# Altium PCB Modbus_PCB1.PcbDoc (part 1 of 3) (continued)
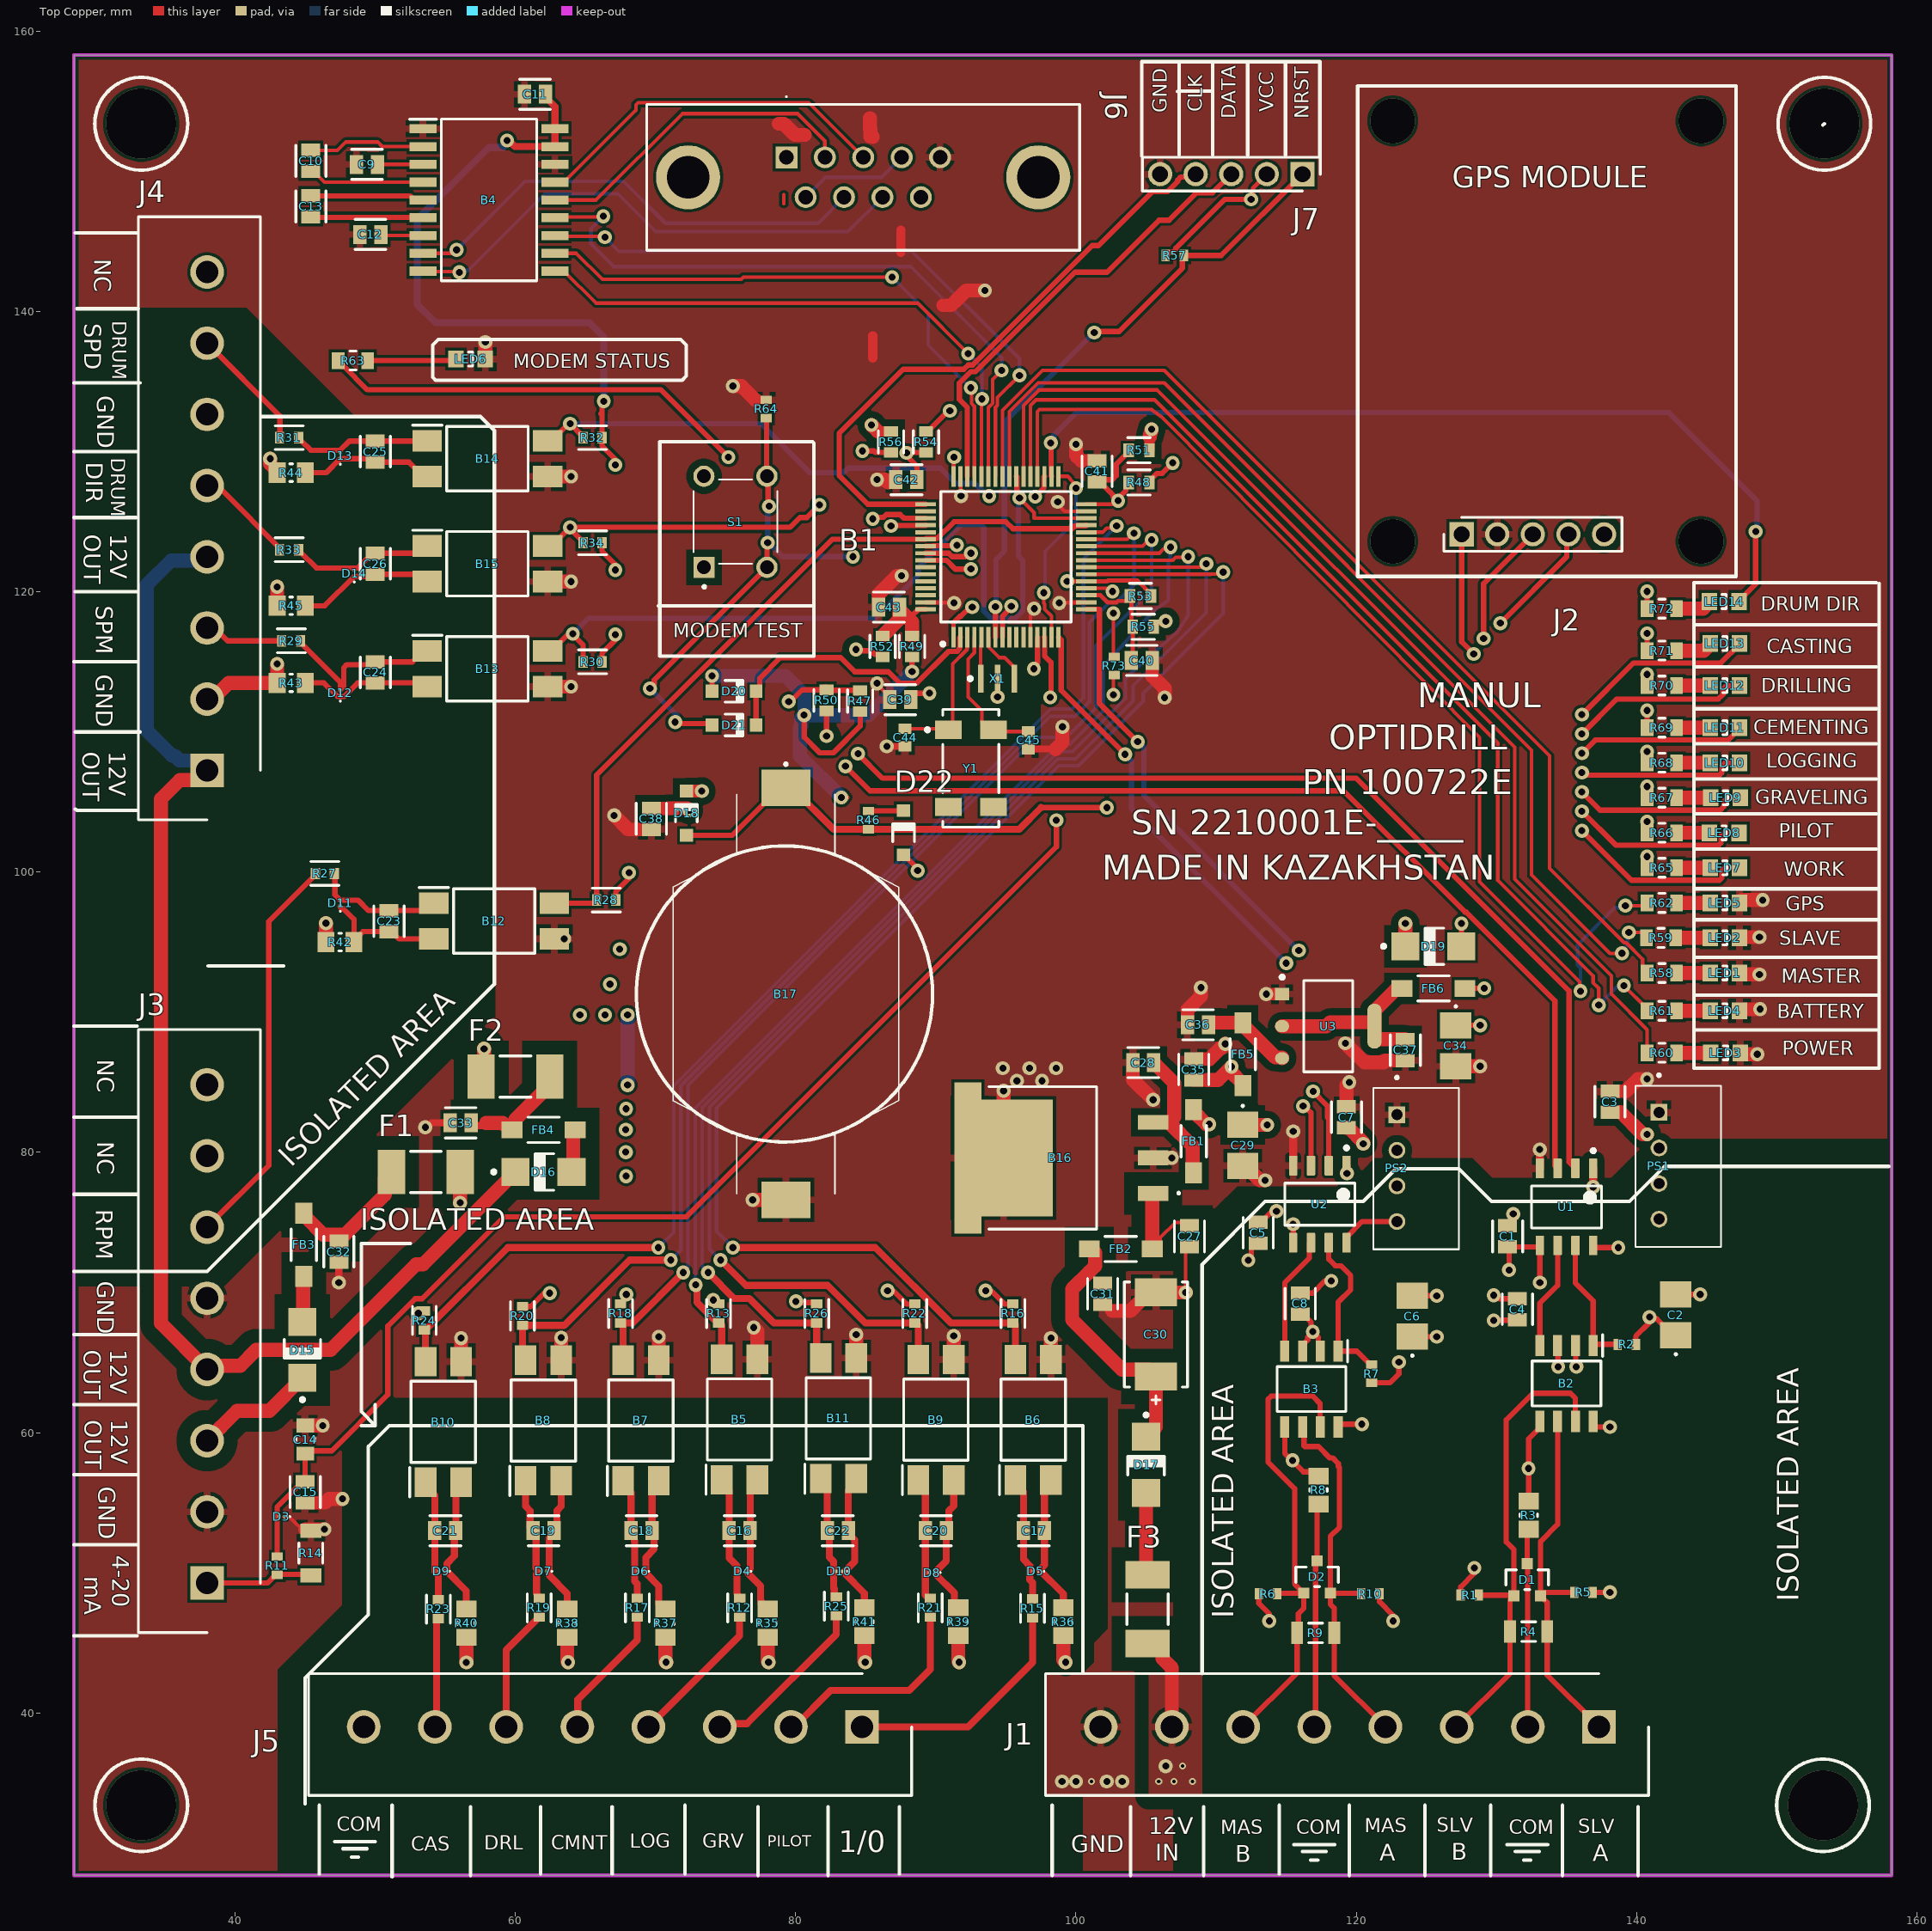
[diagram p0: Top Copper view]
## Design rules (kind name [scope] priority, off if disabled: settings)
BoardOutlineClearance [All] p1: gap=0.2 ignorepadtopadclearanceinfootprint=FALSE except(0.4: Arc-SplitBarrior Arc-SplitContinuation Track-SplitBarrior Track-SplitContinuation SMDPad-SplitBarrior SMDPad-SplitContinuation THPad-SplitBarrior THPad-SplitContinuation Via-SplitBarrior Via-SplitContinuation Fill-SplitBarrior Fill-SplitContinuation Poly-SplitBarrior Poly-SplitContinuation Region-SplitBarrior Region-SplitContinuation Text-SplitBarrior Text-SplitContinuation)
Clearance Clearance_HV [InNetClass('HV') vs not InNetClass('HV')] p1: gap=1 ignorepadtopadclearanceinfootprint=TRUE
Clearance Clearance_HV_1 [InNetClass('POWER') vs not InNetClass('POWER')] p2: gap=0.5 ignorepadtopadclearanceinfootprint=TRUE
Clearance Clearance_ISO1 [InNetClass('ISO1') vs not InNetClass('ISO1')] p3: gap=0.5 ignorepadtopadclearanceinfootprint=TRUE
Clearance Clearance_ISO1_1 [InNetClass('ISO2') vs not InNetClass('ISO2')] p4: gap=0.5 ignorepadtopadclearanceinfootprint=TRUE
Clearance Clearance_ISO1_2 [InNetClass('ISO3') vs not InNetClass('ISO3')] p5: gap=0.5 ignorepadtopadclearanceinfootprint=TRUE
Clearance Clearance_ISO1_3 [InNetClass('ISO4') vs not InNetClass('ISO4')] p6: gap=0.5 ignorepadtopadclearanceinfootprint=TRUE
Clearance Clearance_ISO1_4 [InNetClass('ISO5') vs not InNetClass('ISO5')] p7: gap=0.5 ignorepadtopadclearanceinfootprint=TRUE
Clearance Clearance_ISO1_5 [InNetClass('ISO6') vs not InNetClass('ISO6')] p8: gap=0.5 ignorepadtopadclearanceinfootprint=TRUE
Clearance Clearance_ISO1_6 [InNetClass('ISO7') vs not InNetClass('ISO7')] p9: gap=0.5 ignorepadtopadclearanceinfootprint=TRUE
Clearance Clearance_ISO1_7 [InNetClass('ISO8') vs not InNetClass('ISO8')] p10: gap=0.5 ignorepadtopadclearanceinfootprint=TRUE
Clearance Clearance_ISO1_8 [InNetClass('ISO9') vs not InNetClass('ISO9')] p11: gap=0.5 ignorepadtopadclearanceinfootprint=TRUE
Clearance Clearance_ISO1_9 [InNetClass('ISO10') vs not InNetClass('ISO10')] p12: gap=0.5 ignorepadtopadclearanceinfootprint=TRUE
Clearance Clearance_ISO1_10 [InNetClass('ISO11') vs not InNetClass('ISO11')] p13: gap=0.5 ignorepadtopadclearanceinfootprint=TRUE
Clearance [All] p14: gap=0.2 ignorepadtopadclearanceinfootprint=FALSE except(0.089: Arc-Arc Arc-Track Arc-SMDPad Track-Track Track-SMDPad SMDPad-SMDPad; 0.127: Arc-Via Track-Via SMDPad-Via THPad-Via Via-Via; 0.254: Arc-Text Track-Text SMDPad-Text THPad-Text Via-Text Fill-Text Poly-Text Region-Text Text-Text)
Clearance "Clearance Top Layer" [OnLayer('Top Layer')] p15: gap=0.203 ignorepadtopadclearanceinfootprint=TRUE except(0.254: Arc-Text Track-Text SMDPad-Text THPad-Text Via-Text Fill-Text Poly-Text Region-Text Text-Text)
Clearance "Clearance Bottom Layer" [OnLayer('Bottom Layer')] p16: gap=0.203 ignorepadtopadclearanceinfootprint=TRUE except(0.254: Arc-Text Track-Text SMDPad-Text THPad-Text Via-Text Fill-Text Poly-Text Region-Text Text-Text)
HoleSize [All] p1: absolutevalues=TRUE maxlimit=6.3 minlimit=0.2 maxpercent=80.000 minpercent=20.000
MinimumAnnularRing [All] p1: minimumring=0.076
MinimumSolderMaskSliver [All] p1: minsoldermaskwidth=0.1
PolygonConnect PolygonConnect_1 [All] p1: thpad.connectstyle=Relief thpad.reliefconductorwidth=0.508 thpad.reliefentries=4 thpad.polygonreliefangle="90 Angle" thpad.airgapwidth=0.254 smdpad.connectstyle=Relief smdpad.reliefconductorwidth=0.508 smdpad.reliefentries=4 smdpad.polygonreliefangle="90 Angle" smdpad.airgapwidth=0.254 via.connectstyle=Direct via.reliefconductorwidth=0.508 via.reliefentries=4 via.polygonreliefangle="90 Angle" via.airgapwidth=0.254
RoutingCorners [All] p1: cornerstyle=Round minsetback=2.54 maxsetback=2.54
RoutingLayers [InNet('GND')] p1: top layer_v5=FALSE mid layer 1_v5=TRUE mid layer 2_v5=FALSE bottom layer_v5=FALSE
RoutingLayers RoutingLayers_1 [All] p2: top layer_v5=TRUE mid layer 1_v5=TRUE mid layer 2_v5=TRUE bottom layer_v5=TRUE
RoutingVias [All] p1: holewidth=0.5 width=1 viastyle="Through Hole" minholewidth=0.2 minwidth=0.45 maxholewidth=1 maxwidth=2
SilkToSilkClearance [All] p1: silktosilkclearance=0.1
SilkToSolderMaskClearance [IsPad] p1: minsilkscreentomaskgap=0.1 clearancetoexposedcopper=TRUE
SolderMaskExpansion [All] p1: expansion=0.102 istentingtop=FALSE
Width Width_1 [InNetClass('HV')] p1: maxlimit=2.54 minlimit=0.089 preferedwidth=1
Width Width_2 [InNetClass('POWER')] p2: maxlimit=2.54 minlimit=0.089 preferedwidth=1
Width Width_3 [InNet('GND')] p3: maxlimit=2.54 minlimit=0.089 preferedwidth=1
Width [All] p4: maxlimit=2.54 minlimit=0.089 preferedwidth=0.381
24 further rules are at their usual default settings.

## Classes and differential pairs
component class indication: LED1 LED2 LED3 LED4 LED5 LED6 LED7 LED8 LED9 LED10 LED11 LED12 LED13 LED14 R58 R59 R60 R61 R62 R63 R65 R66 R67 R68 R69 R70 R71 R72
net class ISO11: Digital_IN11 Digital_IN11_GND NetB15_1
net class ISO10: Digital_IN10 Digital_IN10_GND NetB14_1
net class ISO9: Digital_IN9 Digital_IN9_GND NetB13_1
net class ISO8: Digital_IN8 Digital_IN8_GND NetB12_1
net class ISO7: Digital_GND Digital_IN7 Digital_IN7_GND NetB10_1
net class ISO6: Digital_GND Digital_IN6 Digital_IN6_GND NetB8_1
net class ISO5: Digital_GND Digital_IN5 Digital_IN5_GND NetB7_1
net class ISO4: Digital_IN4 Digital_IN4_GND NetB5_1
net class ISO3: Digital_IN3 Digital_IN3_GND NetB11_1
net class POWER: NetB16_3 NetC36_2 NetC37_2 VCC3V3_MCU VCC5
net class ISO2: Digital_GND Digital_IN2 Digital_IN2_GND GND_ISO2 INA_1 NetB9_1 OUTB_1 RS_485_1_A RS_485_1_B RS_485_1_GND VCC5_ISO2
net class ISO1: Digital_GND Digital_IN1 Digital_IN1_GND GND_ISO1 INA NetB6_1 OUTB RS_485_A RS_485_B RS_485_GND VCC5_ISO1
net class HV: 12VEncoders 12VLoadcell NetB16_1 NetC32_2 NetC33_2 NetD15_2 NetD16_2 NetD17_2 VCC12 VCC12_FUSED
component class RS_485: B2 B3 C1 C2 C3 C4 C5 C6 C7 C8 D1 D2 PS1 PS2 R1 R2 R3 R4 R5 R6 R7 R8 R9 R10 U1 U2
component class RS_232: B4 C9 C10 C11 C12 C13 J6
component class MainPage: B1 B16 B17 C27 C28 C29 C30 C31 C32 C33 C34 C35 C36 C37 C38 C39 C40 C41 C42 C43 C44 C45 D15 D16 D17 D18 D19 D20 D21 D22 F1 F2 F3 FB1 FB2 FB3 FB4 FB5 FB6 J1 J2 J3 J4 J5 J7 R46 R47 R48 R49 R50 R51 R52 R53 R54 R55 R56 R57 R64 R73 S1 U3 X1 Y1
component class InputCircuits: B5 B6 B7 B8 B9 B10 B11 C14 C15 C16 C17 C18 C19 C20 C21 C22 D3 D4 D5 D6 D7 D8 D9 D10 R11 R12 R13 R14 R15 R16 R17 R18 R19 R20 R21 R22 R24 R25 R26 R35 R36 R37 R38 R39 R40 R41
component class InputCircuits1: B12 B13 B14 B15 C23 C24 C25 C26 D11 D12 D13 D14 R27 R28 R29 R30 R31 R32 R33 R34 R42 R43 R44 R45

## Components (designator, comment, footprint, x,y, rotation, side; value= is the part's Value field where it differs from the comment)
B1 "STM32L071RBT7" QFP50P1200X1200X160-64N 95,122.5 r90 top
B2 "MAX13488EESA+T" SOIC127P600X175-8N 135,63.5 r270 top
B3 "MAX13488EESA+T" SOIC127P600X175-8N 116.8,63.1 r270 top
B4 "MAX3222EWN+" SOIC127P1032X265-18N 58.112,147.96 r0 top
B5 "PC817XNNIP1B" SOP254P960X420-4N 75.99,60.933 r90 top
B6 "PC817XNNIP1B" SOP254P960X420-4N 96.945,60.915 r90 top
B7 "PC817XNNIP1B" SOP254P960X420-4N 68.954,60.864 r90 top
B8 "PC817XNNIP1B" SOP254P960X420-4N 61.994,60.864 r90 top
B9 "PC817XNNIP1B" SOP254P960X420-4N 90.01,60.915 r90 top
B10 "PC817XNNIP1B" SOP254P960X420-4N 54.857,60.762 r90 top
B11 "PC817XNNIP1B" SOP254P960X420-4N 83.051,61.016 r90 top
B12 "PC817XNNIP1B" SOP254P960X420-4N 58.478,96.5 r0 top
B13 "PC817XNNIP1B" SOP254P960X420-4N 58,114.5 r0 top
B14 "PC817XNNIP1B" SOP254P960X420-4N 58,129.5 r0 top
B15 "PC817XNNIP1B" SOP254P960X420-4N 58,122 r0 top
B16 "LM7805S_NOPB" KTT0003B 92.83,79.6 r0 top
B17 "SMTU2032-LF" SMTU2032LF 79.3,91.3 r270 top
C1 "C0805C104K5RAC7411" FP-C0805C-DN-MFG 130.8,74 r90 top value="0.10 μF"
C2 "T520B107M006ATE040" T520B 142.8,68.4 r90 top
C3 "C0805C104K5RAC7411" FP-C0805C-DN-MFG 138.1,83.6 r270 top value="0.10 μF"
C4 "C0805C104K5RAC7411" FP-C0805C-DN-MFG 131.5,68.8 r270 top value="0.10 μF"
C5 "C0805C104K5RAC7411" FP-C0805C-DN-MFG 113,74.25 r90 top value="0.10 μF"
C6 "T520B107M006ATE040" T520B 124,68.3 r90 top
C7 "C0805C104K5RAC7411" FP-C0805C-DN-MFG 119.3,82.5 r270 top value="0.10 μF"
C8 "C0805C104K5RAC7411" FP-C0805C-DN-MFG 116,69.2 r270 top value="0.10 μF"
C9 "C0805C104K5RAC7411" FP-C0805C-DN-MFG 49.4,150.5 r0 top value="0.10 μF"
C10 "C0805C104K5RAC7411" FP-C0805C-DN-MFG 45.4,150.75 r90 top value="0.10 μF"
C11 "C0805C104K5RAC7411" FP-C0805C-DN-MFG 61.4,155.5 r0 top value="0.10 μF"
C12 "C0805C104K5RAC7411" FP-C0805C-DN-MFG 49.65,145.5 r0 top value="0.10 μF"
C13 "C0805C104K5RAC7411" FP-C0805C-DN-MFG 45.4,147.5 r270 top value="0.10 μF"
C14 "LMK212B7106KG-TD" FP-MK212G-MFG 45,59.5 r90 top
C15 "C0805C104K5RAC7411" FP-C0805C-DN-MFG 45,55.75 r90 top value="0.10 μF"
C16 "C0805C104K5RAC7411" FP-C0805C-DN-MFG 76,53 r180 top value="0.10 μF"
C17 "C0805C104K5RAC7411" FP-C0805C-DN-MFG 97,53 r180 top value="0.10 μF"
C18 "C0805C104K5RAC7411" FP-C0805C-DN-MFG 69,53 r180 top value="0.10 μF"
C19 "C0805C104K5RAC7411" FP-C0805C-DN-MFG 62,53 r180 top value="0.10 μF"
C20 "C0805C104K5RAC7411" FP-C0805C-DN-MFG 90,53 r180 top value="0.10 μF"
C21 "C0805C104K5RAC7411" FP-C0805C-DN-MFG 55,53 r180 top value="0.10 μF"
C22 "C0805C104K5RAC7411" FP-C0805C-DN-MFG 83,53 r180 top value="0.10 μF"
C23 "C0805C104K5RAC7411" FP-C0805C-DN-MFG 50.978,96.5 r90 top value="0.10 μF"
C24 "C0805C104K5RAC7411" FP-C0805C-DN-MFG 50,114.25 r90 top value="0.10 μF"
C25 "C0805C104K5RAC7411" FP-C0805C-DN-MFG 50,130 r90 top value="0.10 μF"
C26 "C0805C104K5RAC7411" FP-C0805C-DN-MFG 50,122 r90 top value="0.10 μF"
C27 "C0805C104K5RAC7411" FP-C0805C-DN-MFG 108.1,74 r90 top value="0.10 μF"
C28 "C0805C104K5RAC7411" FP-C0805C-DN-MFG 104.8,86.4 r0 top value="0.10 μF"
C29 "T520B107M006ATE040" T520B 111.9,80.5 r270 top
C30 "TAJE157K020RNJ" FP-TAJE-MFG 105.7,67 r270 top
C31 "C0805C104K5RAC7411" FP-C0805C-DN-MFG 101.9,69.9 r90 top value="0.10 μF"
C32 "C0805C104K5RAC7411" FP-C0805C-DN-MFG 47.4,72.9 r90 top value="0.10 μF"
C33 "C0805C104K5RAC7411" FP-C0805C-DN-MFG 56.1,82.1 r0 top value="0.10 μF"
C34 "T520B107M006ATE040" T520B 127.1,87.6 r270 top
C35 "C0805C104K5RAC7411" FP-C0805C-DN-MFG 108.4,85.9 r270 top value="0.10 μF"
C36 "C0805C104K5RAC7411" FP-C0805C-DN-MFG 108.7,89.1 r0 top value="0.10 μF"
C37 "C0805C104K5RAC7411" FP-C0805C-DN-MFG 123.5,87.3 r90 top value="0.10 μF"
C38 "C0805C104K5RAC7411" FP-C0805C-DN-MFG 69.7,103.8 r90 top value="0.10 μF"
C39 "C0805C104K5RAC7411" FP-C0805C-DN-MFG 87.45,112.3 r0 top value="0.10 μF"
C40 "C0805C104K5RAC7411" FP-C0805C-DN-MFG 104.7,115.1 r180 top value="0.10 μF"
C41 "C0805C104K5RAC7411" FP-C0805C-DN-MFG 101.5,128.6 r270 top value="0.10 μF"
C42 "C0805C104K5RAC7411" FP-C0805C-DN-MFG 87.9,128 r0 top value="0.10 μF"
C43 "C0805C104K5RAC7411" FP-C0805C-DN-MFG 86.65,118.9 r0 top value="0.10 μF"
C44 "VJ0603D120JXPAJ" CAPC1608X92X38LL15T08 87.8,109.6 r90 top
C45 "VJ0603D120JXPAJ" CAPC1608X92X38LL15T08 96.6,109.4 r270 top
D1 "SM712-02HTG" FP-SM712-MFG 132.2,49.5 r90 top
D2 "SM712-02HTG" FP-SM712-MFG 117.2,49.7 r90 top
D3 "PESD5V5H1BSFYL" PESD5V0H1BSFYL 43.3,54 r180 top
D4 "PESD5V5H1BSFYL" PESD5V0H1BSFYL 76.2,50.1 r180 top
D5 "PESD5V5H1BSFYL" PESD5V0H1BSFYL 97.1,50.1 r180 top
D6 "PESD5V5H1BSFYL" PESD5V0H1BSFYL 68.9,50.1 r180 top
D7 "PESD5V5H1BSFYL" PESD5V0H1BSFYL 62,50.1 r180 top
D8 "PESD5V5H1BSFYL" PESD5V0H1BSFYL 89.7,50 r180 top
D9 "PESD5V5H1BSFYL" PESD5V0H1BSFYL 54.7,50.1 r180 top
D10 "PESD5V5H1BSFYL" PESD5V0H1BSFYL 83.1,50.1 r180 top
D11 "PESD5V5H1BSFYL" PESD5V0H1BSFYL 47.5,97.8 r90 top
D12 "PESD5V5H1BSFYL" PESD5V0H1BSFYL 47.5,112.8 r90 top
D13 "PESD5V5H1BSFYL" PESD5V0H1BSFYL 47.5,129.7 r90 top
D14 "PESD5V5H1BSFYL" PESD5V0H1BSFYL 48.5,121.3 r90 top
D15 "MURA120T3G" ONSC-SMA-2-403D-02_V 44.8,65.9 r90 top
D16 "MURA120T3G" ONSC-SMA-2-403D-02_V 62,78.6 r0 top
D17 "MURA120T3G" ONSC-SMA-2-403D-02_V 105,57.7 r270 top
D18 "1N4148W-7-F" DIOD-SOD123-2_V 72.2,104.2 r90 top
D19 "MURA120T3G" ONSC-SMA-2-403D-02_V 125.5,94.7 r0 top
D20 "1N4148W-7-F" DIOD-SOD123-2_V 75.6,112.9 r0 top
D21 "1N4148W-7-F" DIOD-SOD123-2_V 75.6,110.5 r0 top
D22 "1N4148W-7-F" DIOD-SOD123-2_V 87.7,102.8 r90 top
F1 "0448005.MR" FP-0448-MFG 53.6,78.6 r180 top value=0.01531Ω
F2 "0448005.MR" FP-0448-MFG 60,85.4 r0 top value=0.01531Ω
F3 "0448005.MR" FP-0448-MFG 105.1,47.4 r90 top value=0.01531Ω
FB1 "BLM41PG181SH1L" FP-BLM41-0_2-a1_2-MFG 108.4,80.8 r90 top
FB2 "BLM41PG181SH1L" FP-BLM41-0_2-a1_2-MFG 103.2,73.1 r0 top
FB3 "BLM41PG181SH1L" FP-BLM41-0_2-a1_2-MFG 44.9,73.4 r270 top
FB4 "BLM41PG181SH1L" FP-BLM41-0_2-a1_2-MFG 62,81.6 r0 top
FB5 "BLM41PG181SH1L" FP-BLM41-0_2-a1_2-MFG 111.9,87 r90 top
FB6 "BLM41PG181SH1L" FP-BLM41-0_2-a1_2-MFG 125.5,91.7 r0 top
J1 "39531-1008" RHDR8W140P0X508_1X8_4264X830X1240P 137.32,39 r180 top
J2 "68000-105HTLF" HDRV5W67P0X254_1X5_1270X241X858P 127.52,124.1 r0 top
J3 "39531-1008" RHDR8W140P0X508_1X8_4264X830X1240P 38,49.26 r90 top
J4 "39531-1008" RHDR8W140P0X508_1X8_4264X830X1240P 38,107.26 r90 top
J5 "39531-1008" RHDR8W140P0X508_1X8_4264X830X1240P 84.74,39 r180 top
J6 "5745051-2" 57450512 79.34,151 r0 top
J7 "68000-105HTLF" HDRV5W67P0X254_1X5_1270X241X858P 116.16,149.8 r180 top
LED1 "150080GS75000" 0805_A 146.3,92.8 r180 top
LED2 "150080GS75000" 0805_A 146.3,95.3 r180 top
LED3 "150080GS75000" 0805_A 146.35,87.1 r180 top
LED4 "150080GS75000" 0805_A 146.3,90.1 r180 top
LED5 "150080GS75000" 0805_A 146.3,97.8 r180 top
LED6 "150080GS75000" 0805_A 56.8,136.6 r180 top
LED7 "150080GS75000" 0805_A 146.3,100.3 r180 top
LED8 "150080GS75000" 0805_A 146.25,102.8 r180 top
LED9 "150080GS75000" 0805_A 146.35,105.3 r180 top
LED10 "150080GS75000" 0805_A 146.3,107.8 r180 top
LED11 "150080GS75000" 0805_A 146.3,110.3 r180 top
LED12 "150080GS75000" 0805_A 146.3,113.3 r180 top
LED13 "150080GS75000" 0805_A 146.3,116.3 r180 top
LED14 "150080GS75000" 0805_A 146.25,119.3 r180 top
PS1 "TME_0505S" CONV_TME_0505S 141.6,79 r270 top
PS2 "TME_0505S" CONV_TME_0505S 122.9,78.83 r270 top
R1 "RC0603FR-074K7L" RESC1608X55X25LL10T15 128.1,48.4 r0 top
R2 "RC0603FR-074K7L" RESC1608X55X25LL10T15 139.3,66.3 r0 top
R3 "RC0805FR-0710RL" RESC2013X60X35ML10T20 132.3,54.1 r90 top
R4 "RC1206FR-07120RL" RESC3116X65X40LL10T20 132.3,45.8 r180 top
R5 "RC0603FR-074K7L" RESC1608X55X25LL10T15 136.2,48.6 r180 top
R6 "RC0603FR-074K7L" RESC1608X55X25LL10T15 113.7,48.5 r0 top
R7 "RC0603FR-074K7L" RESC1608X55X25LL10T15 121.1,64.2 r270 top
R8 "RC0805FR-0710RL" RESC2013X60X35ML10T20 117.3,55.9 r90 top
R9 "RC1206FR-07120RL" RESC3116X65X40LL10T20 117.1,45.7 r180 top
R10 "RC0603FR-074K7L" RESC1608X55X25LL10T15 121,48.5 r180 top
R11 "RC0603FR-074K7L" RESC1608X55X25LL10T15 43,50.5 r270 top
R12 "RC0603FR-071K8L" FP-RC0603-0_55-IPC_C 76,47.5 r90 top
R13 "RC0603FR-071KL" FP-RC0603-0_55-IPC_C 74.5,68.5 r90 top
R14 "RT1206FRE07120RL" FP-RT1206-MFG 45.4,51.4 r270 top value=120Ω
R15 "RC0603FR-071K8L" FP-RC0603-0_55-IPC_C 96.9,47.45 r90 top
R16 "RC0603FR-071KL" FP-RC0603-0_55-IPC_C 95.5,68.5 r90 top
R17 "RC0603FR-071K8L" FP-RC0603-0_55-IPC_C 68.7,47.5 r90 top
R18 "RC0603FR-071KL" FP-RC0603-0_55-IPC_C 67.5,68.5 r90 top
R19 "RC0603FR-071K8L" FP-RC0603-0_55-IPC_C 61.7,47.5 r90 top
R20 "RC0603FR-071KL" FP-RC0603-0_55-IPC_C 60.5,68.323 r90 top
R21 "RC0603FR-071K8L" FP-RC0603-0_55-IPC_C 89.6,47.5 r90 top
R22 "RC0603FR-071KL" FP-RC0603-0_55-IPC_C 88.5,68.5 r90 top
R23 "RC0603FR-071K8L" FP-RC0603-0_55-IPC_C 54.5,47.4 r90 top
R24 "RC0603FR-071KL" FP-RC0603-0_55-IPC_C 53.5,68 r90 top
R25 "RC0603FR-071K8L" FP-RC0603-0_55-IPC_C 82.9,47.6 r90 top
R26 "RC0603FR-071KL" FP-RC0603-0_55-IPC_C 81.5,68.5 r90 top
R27 "RC0603FR-071K8L" FP-RC0603-0_55-IPC_C 46.4,99.9 r0 top
R28 "RC0603FR-071KL" FP-RC0603-0_55-IPC_C 66.478,98 r0 top
R29 "RC0603FR-071K8L" FP-RC0603-0_55-IPC_C 44,116.5 r0 top
R30 "RC0603FR-071KL" FP-RC0603-0_55-IPC_C 65.5,115 r0 top
R31 "RC0603FR-071K8L" FP-RC0603-0_55-IPC_C 43.85,131 r0 top
R32 "RC0603FR-071KL" FP-RC0603-0_55-IPC_C 65.5,131 r0 top
R33 "RC0603FR-071K8L" FP-RC0603-0_55-IPC_C 43.85,123 r0 top
R34 "RC0603FR-071KL" FP-RC0603-0_55-IPC_C 65.5,123.5 r0 top
R35 "RC0805FR-0710RL" RESC2013X60X35ML10T20 78,46.4 r90 top
R36 "RC0805FR-0710RL" RESC2013X60X35ML10T20 99.1,46.5 r90 top
R37 "RC0805FR-0710RL" RESC2013X60X35ML10T20 70.7,46.4 r90 top
R38 "RC0805FR-0710RL" RESC2013X60X35ML10T20 63.7,46.4 r90 top
R39 "RC0805FR-0710RL" RESC2013X60X35ML10T20 91.6,46.5 r90 top
R40 "RC0805FR-0710RL" RESC2013X60X35ML10T20 56.5,46.4 r90 top
R41 "RC0805FR-0710RL" RESC2013X60X35ML10T20 84.9,46.5 r90 top
R42 "RC0805FR-0710RL" RESC2013X60X35ML10T20 47.478,95 r0 top
R43 "RC0805FR-0710RL" RESC2013X60X35ML10T20 44,113.5 r0 top
R44 "RC0805FR-0710RL" RESC2013X60X35ML10T20 44,128.5 r0 top
R45 "RC0805FR-0710RL" RESC2013X60X35ML10T20 44,119 r0 top
R46 "RC0603FR-074K7L" RESC1608X55X25LL10T15 85.2,103.7 r90 top
R47 "CRCW06030000Z0EAHP" FP-CRCW0603-HPe3-MFG 84.6,112.2 r90 top
R48 "CRCW06030000Z0EAHP" FP-CRCW0603-HPe3-MFG 104.5,127.8 r180 top
R49 "CRCW06030000Z0EAHP" FP-CRCW0603-HPe3-MFG 88.3,116.1 r90 top
R50 "CRCW06030000Z0EAHP" FP-CRCW0603-HPe3-MFG 82.2,112.25 r90 top
R51 "CRCW06030000Z0EAHP" FP-CRCW0603-HPe3-MFG 104.5,130.1 r180 top
R52 "CRCW06030000Z0EAHP" FP-CRCW0603-HPe3-MFG 86.2,116.1 r90 top
R53 "CRCW06030000Z0EAHP" FP-CRCW0603-HPe3-MFG 104.6,119.7 r180 top
R54 "CRCW06030000Z0EAHP" FP-CRCW0603-HPe3-MFG 89.3,130.7 r270 top
R55 "CRCW06030000Z0EAHP" FP-CRCW0603-HPe3-MFG 104.8,117.5 r180 top
R56 "CRCW06030000Z0EAHP" FP-CRCW0603-HPe3-MFG 86.8,130.7 r270 top
R57 "RC0603FR-074K7L" RESC1608X55X25LL10T15 107.05,144 r180 top
R58 "AC0805FR-07510RL" FP-AC0805-MFG 141.8,92.8 r0 top value=510Ω
R59 "AC0805FR-07510RL" FP-AC0805-MFG 141.75,95.3 r0 top value=510Ω
R60 "AC0805FR-07510RL" FP-AC0805-MFG 141.8,87.1 r0 top value=510Ω
R61 "AC0805FR-07510RL" FP-AC0805-MFG 141.8,90.1 r0 top value=510Ω
R62 "AC0805FR-07510RL" FP-AC0805-MFG 141.8,97.8 r0 top value=510Ω
R63 "AC0805FR-07510RL" FP-AC0805-MFG 48.4,136.5 r0 top value=510Ω
R64 "RC0603FR-074K7L" RESC1608X55X25LL10T15 77.9,133.05 r90 top
R65 "AC0805FR-07510RL" FP-AC0805-MFG 141.8,100.3 r0 top value=510Ω
R66 "AC0805FR-07510RL" FP-AC0805-MFG 141.8,102.8 r0 top value=510Ω
R67 "AC0805FR-07510RL" FP-AC0805-MFG 141.8,105.3 r0 top value=510Ω
R68 "AC0805FR-07510RL" FP-AC0805-MFG 141.8,107.8 r0 top value=510Ω
R69 "AC0805FR-07510RL" FP-AC0805-MFG 141.8,110.3 r0 top value=510Ω
R70 "AC0805FR-07510RL" FP-AC0805-MFG 141.8,113.3 r0 top value=510Ω
R71 "AC0805FR-07510RL" FP-AC0805-MFG 141.8,115.8 r0 top value=510Ω
R72 "AC0805FR-07510RL" FP-AC0805-MFG 141.8,118.8 r0 top value=510Ω
R73 "RC0603FR-074K7L" RESC1608X55X25LL10T15 102.718,114.706 r90 top
S1 "TS02-66-60-BK-160-SCR-D" SW_TS02-66-60-BK-160-SCR-D 75.7,125 r90 top
U1 "ISO7321CDR" FP-D0008B-MFG 135,76.1 r270 top
U2 "ISO7321CDR" FP-D0008B-MFG 117.4,76.3 r270 top
U3 "AMS1117-3.3" FP-AMS1117-IPC_C 118,89 r0 top
X1 "CSTCE8M00G55-R0" MURA-CSTCE_G_A-3_V 94.4,113.8 r0 top
Y1 "ABS25-32.768KHZ-6-1-T" FP-ABS25-MFG 92.5,107.4 r270 top
